# Altium PCB top_LM_v1.PcbDoc (part 4 of 5)
Units mil, origin at the board's own origin, x right, y up, seen from the top; angles counter-clockwise.
Board outline 13413.03 x 6200.01 mil, 2 copper layers (Top Layer, Bottom Layer); 748 components, 568 nets, 1910 pads, 545 vias.
Unrouted connection lines stored in the file: 211.
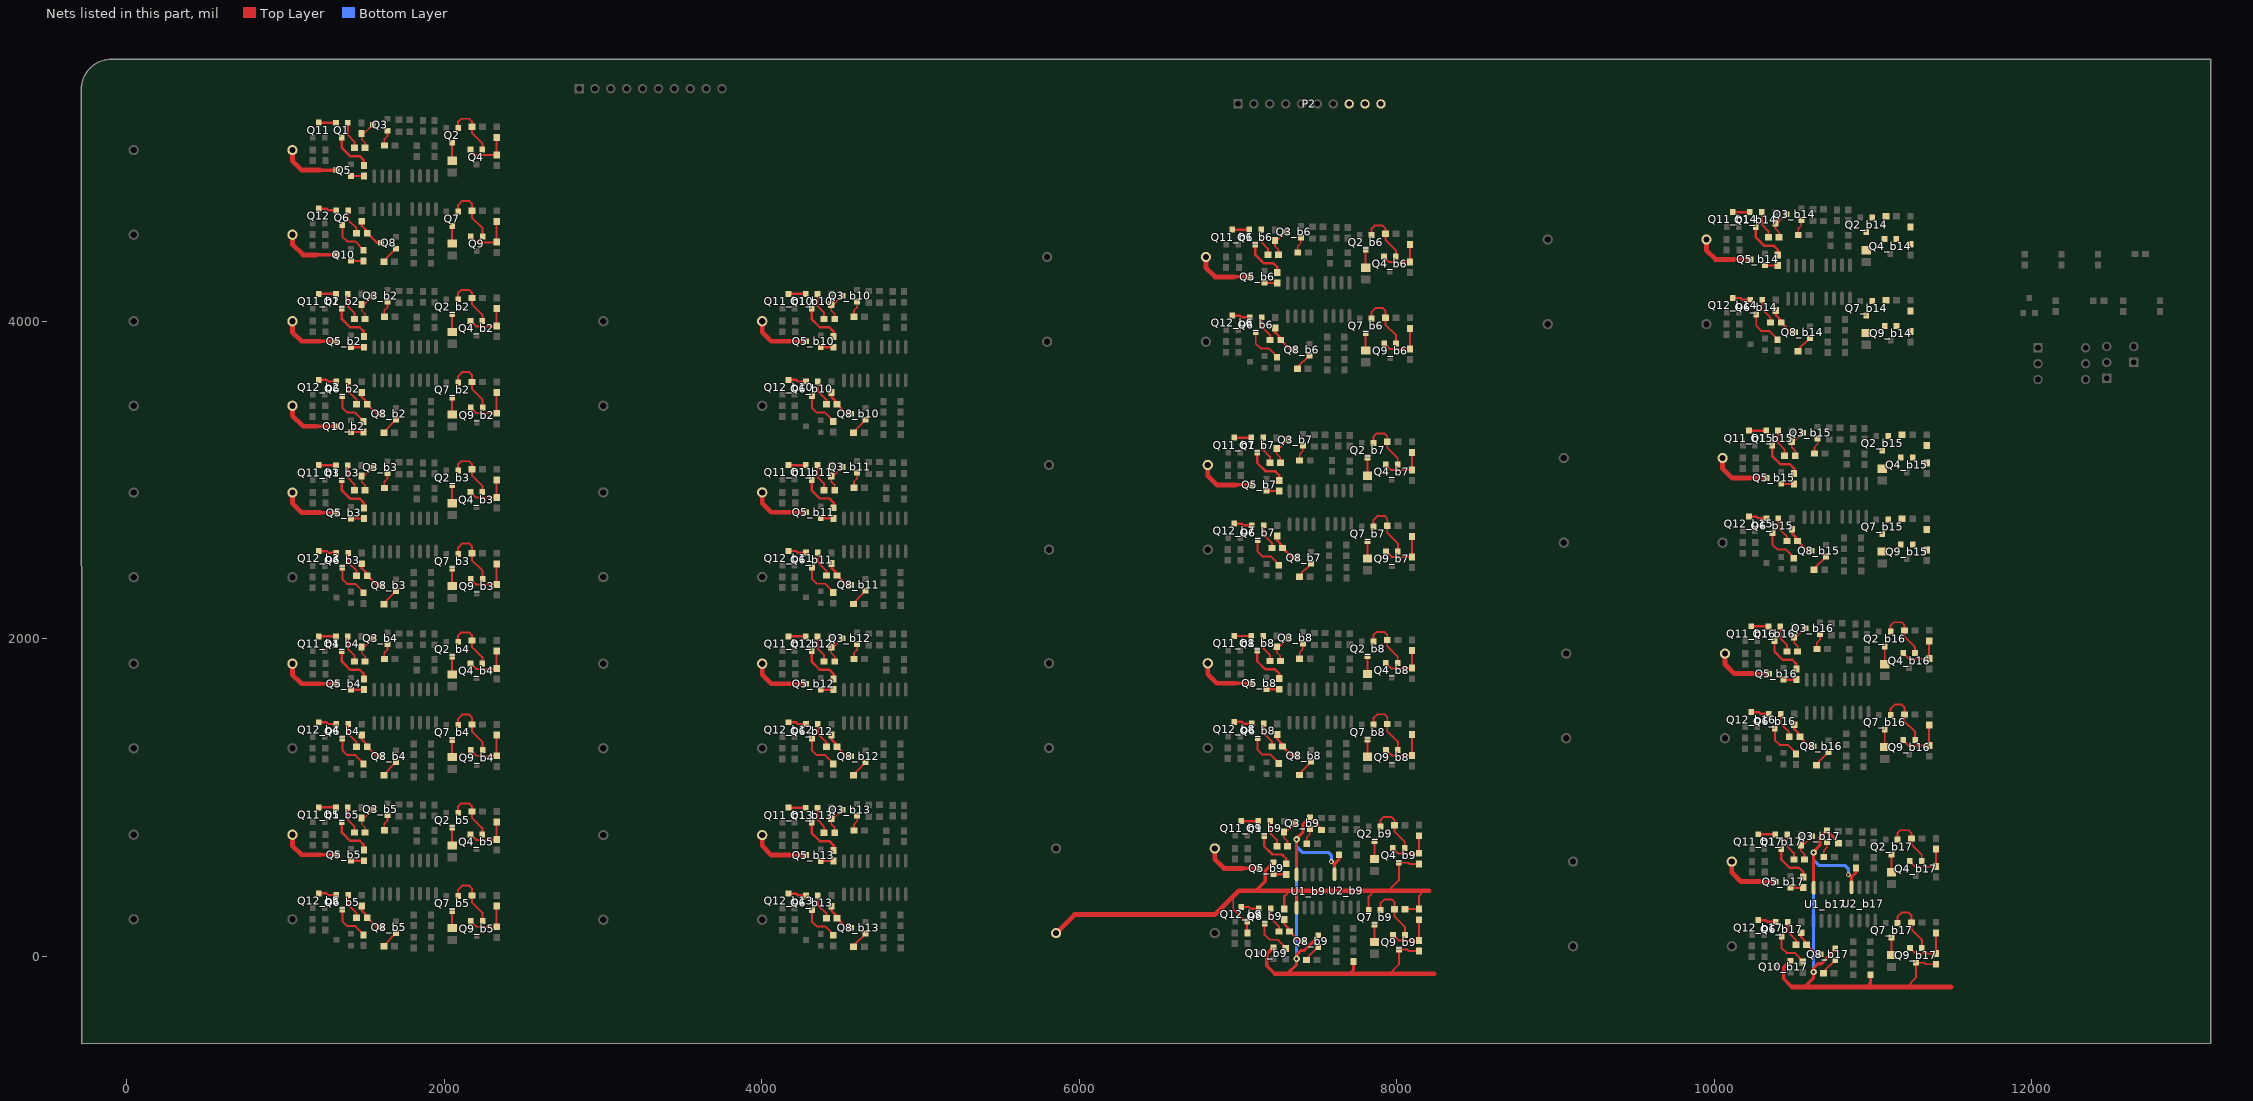
[diagram p4: the nets of this part, all layers, seen from the top]

## Via types
v1: diameter 20, hole 10, Top Layer to Bottom Layer, 458 vias
v2: diameter 40, hole 20, Top Layer to Bottom Layer, 51 vias
v3: diameter 30, hole 15, Top Layer to Bottom Layer, 34 vias
v4: diameter 125.98, hole 125.98, Top Layer to Bottom Layer, 2 vias

## Nets (pads, with @x,y where several pads share a name; then routed paths per layer and width w, separated by ;. In a path a pad name is that pad's centre, name@x,y a point inside that pad or via, vN(x,y) a via of type N, cw(c..) or ccw(c..) an arc to the next point about the centre after c; other vN are vias at no path point) (continued)
IN_B8: P2.8 Q3_b17.2 Q4_b9.3 Q5_b9.2 Q7_b9.2 Q8_b17.2 Q9_b17.3 Q10_b17.2 Q12_b9.2 R12_b17.1 R13_b9.1 R14_b9.2 R19_b9.2 R20_b9.2 R21_b9.2 R24_b17.1 R42_b9.1 R44_b17.2 R48_b17.2 U1_b9.5 U1_b17.4 U2_b17.4 | length 7528.2
  Top Layer w12: 6970,376.78 6970,297 7049.26,217.74 Q12_b9.2@7057.4,217.74 7057.4,149.06 R42_b9.1@7060,146.46 ; U1_b9.5@7369,305.51 7369,390.28 7391,412.28 ; Q7_b9.2@7822.46,292.54 7822.46,375.87 7858.87,412.28 ; 7946.87,412.28 8012.87,478.28 Q4_b9.3@8012.87,589.02 8071.13,589.02 8078.33,581.81 R13_b9.1@8139.87,581.81 ; R20_b9.2@8051.8,296.74 R21_b9.2@8139.87,296.74 8139.87,381.28 8170.87,412.28 ; 11210.25,-193.8 11269.87,-134.18 Q9_b17.3@11269.87,-40.98 11322.61,-40.98 11331.81,-50.19 R24_b17.1@11395.87,-50.19
  Top Layer w15: R19_b9.2@7290.87,297.74 7290.87,377.28 7325.87,412.28 7329.87,412.28
  Top Layer w20: 10568.87,-191.19 10625,-135.06 v2(10625,-99) 10625,-74 10652,-47 10673.44,-47 10761.26,40.82 Q8_b17.2@10761.26,50.4 ; 10588.87,-194.72 10589.8,-193.8 ; U1_b17.4@10625,431.49 v2(10625,653) 10625,659 10665,699 10665,750.14 Q3_b17.2@10708.26,793.4 10708.26,790.65 10781.54,717.38 R12_b17.1@10781.54,712 ; v3(10844,513) 10858,499 10864,499 ; U2_b17.4@10864,433.76 10864,499 ; R48_b17.2@10892,556.54 10892,527 10864,499 ; 10959,-193.8 10983,-169.8 R44_b17.2@10983,-116.46
  Top Layer w22: 7111.87,412.28 7171.87,472.28 7171.87,539.42 Q5_b9.2@7223.13,590.68 ; Q10_b17.2@10479.13,-27.32 10435.87,-70.58 10435.87,-142.72 10486.94,-193.8
  Top Layer w30: R14_b9.2@5854,146 5970.28,262.28 6854,262.28 7004,412.28 7111.87,412.28 7325.87,412.28 ; 7329.87,412.28 7391,412.28 7858.87,412.28 7946.87,412.28 8170.87,412.28 8204.4,412.28 ; 10486.94,-193.8 10589.8,-193.8 10959,-193.8 11210.25,-193.8 11491.32,-193.8
  Bottom Layer w20: v2(10625,-99) 10625,606 ; v2(10625,653) 10625,606 ; v3(10844,513) 10844,552 10825,571 10660,571 10625,606
IN_C8: P2.9 P2.10 Q3_b9.2 Q8_b9.2 Q9_b9.3 Q10_b9.2 R12_b9.1 R24_b9.1 R44_b9.2 R48_b9.2 U1_b9.4 U2_b9.4 | length 3640.4
  Top Layer w12: 7954.25,-110.8 8013.87,-51.18 Q9_b9.3@8013.87,42.02 8066.61,42.02 8075.81,32.81 R24_b9.1@8139.87,32.81
  Top Layer w20: 7312.87,-108.19 7369,-52.06 v2(7369,-16) 7369,9 7396,36 7417.44,36 7505.26,123.82 Q8_b9.2@7505.26,133.4 ; 7332.87,-111.72 7333.8,-110.8 ; U1_b9.4@7369,514.49 v2(7369,736) 7369,742 7409,782 7409,833.14 Q3_b9.2@7452.26,876.4 7452.26,873.65 7525.54,800.38 R12_b9.1@7525.54,795 ; v3(7588,596) 7602,582 7608,582 ; U2_b9.4@7608,516.76 7608,582 ; R48_b9.2@7636,639.54 7636,610 7608,582 ; 7703,-110.8 7727,-86.8 R44_b9.2@7727,-33.46
  Top Layer w22: Q10_b9.2@7223.13,55.68 7179.87,12.42 7179.87,-59.72 7230.94,-110.8
  Top Layer w30: 7230.94,-110.8 7333.8,-110.8 7703,-110.8 7954.25,-110.8 8235.32,-110.8
  Bottom Layer w20: v2(7369,-16) 7369,689 ; v2(7369,736) 7369,689 ; v3(7588,596) 7588,635 7569,654 7404,654 7369,689
NetD1_1: D1.1 Q2.3 | length 113.3
  Top Layer w12: D1.1@2050.87,5009.94 Q2.3@2050.87,5123.28
NetD1_b2_1: D1_b2.1 Q2_b2.3 | length 113.3
  Top Layer w12: D1_b2.1@2050.87,3931.94 Q2_b2.3@2050.87,4045.28
NetD1_b3_1: D1_b3.1 Q2_b3.3 | length 113.3
  Top Layer w12: D1_b3.1@2050.87,2852.94 Q2_b3.3@2050.87,2966.28
NetD1_b4_1: D1_b4.1 Q2_b4.3 | length 113.3
  Top Layer w12: D1_b4.1@2050.87,1774.94 Q2_b4.3@2050.87,1888.28
NetD1_b5_1: D1_b5.1 Q2_b5.3 | length 113.3
  Top Layer w12: D1_b5.1@2050.87,697.94 Q2_b5.3@2050.87,811.28
NetD1_b6_1: D1_b6.1 Q2_b6.3 | length 113.3
  Top Layer w12: D1_b6.1@7803.61,4336.4 Q2_b6.3@7803.61,4449.74
NetD1_b7_1: D1_b7.1 Q2_b7.3 | length 113.3
  Top Layer w12: D1_b7.1@7815.61,3026.4 Q2_b7.3@7815.61,3139.74
NetD1_b8_1: D1_b8.1 Q2_b8.3 | length 113.3
  Top Layer w12: D1_b8.1@7815.61,1777.4 Q2_b8.3@7815.61,1890.74
NetD1_b9_1: D1_b9.1 Q2_b9.3 | length 113.3
  Top Layer w12: D1_b9.1@7859.87,611.68 Q2_b9.3@7859.87,725.02
NetD1_b10_1: 
NetD1_b11_1: 
NetD1_b12_1: 
NetD1_b13_1: 
NetD1_b14_1: D1_b14.1 Q2_b14.3
NetD1_b15_1: D1_b15.1 Q2_b15.3
NetD1_b16_1: D1_b16.1 Q2_b16.3 | length 113.3
  Top Layer w12: D1_b16.1@11072.87,1838.68 Q2_b16.3@11072.87,1952.02
NetD1_b17_1: D1_b17.1 Q2_b17.3 | length 113.3
  Top Layer w12: D1_b17.1@11115.87,528.68 Q2_b17.3@11115.87,642.02
NetD2_1: D2.1 Q7.3 | length 109.3
  Top Layer w12: D2.1@2050.87,4488.94 Q7.3@2050.87,4598.28
NetD2_b2_1: D2_b2.1 Q7_b2.3 | length 109.3
  Top Layer w12: D2_b2.1@2050.87,3410.94 Q7_b2.3@2050.87,3520.28
NetD2_b3_1: D2_b3.1 Q7_b3.3 | length 109.3
  Top Layer w12: D2_b3.1@2050.87,2331.94 Q7_b3.3@2050.87,2441.28
NetD2_b4_1: D2_b4.1 Q7_b4.3 | length 109.3
  Top Layer w12: D2_b4.1@2050.87,1253.94 Q7_b4.3@2050.87,1363.28
NetD2_b5_1: D2_b5.1 Q7_b5.3 | length 109.3
  Top Layer w12: D2_b5.1@2050.87,176.94 Q7_b5.3@2050.87,286.28
NetD2_b6_1: D2_b6.1 Q7_b6.3 | length 109.3
  Top Layer w12: D2_b6.1@7803.61,3815.4 Q7_b6.3@7803.61,3924.74
NetD2_b7_1: D2_b7.1 Q7_b7.3 | length 109.3
  Top Layer w12: D2_b7.1@7815.61,2505.4 Q7_b7.3@7815.61,2614.74
NetD2_b8_1: D2_b8.1 Q7_b8.3 | length 109.3
  Top Layer w12: D2_b8.1@7815.61,1256.4 Q7_b8.3@7815.61,1365.74
NetD2_b9_1: D2_b9.1 Q7_b9.3 | length 109.3
  Top Layer w12: D2_b9.1@7859.87,90.68 Q7_b9.3@7859.87,200.02
NetD2_b10_1: 
NetD2_b11_1: 
NetD2_b12_1: 
NetD2_b13_1: 
NetD2_b14_1: D2_b14.1 Q7_b14.3
NetD2_b15_1: D2_b15.1 Q7_b15.3
NetD2_b16_1: D2_b16.1 Q7_b16.3 | length 109.3
  Top Layer w12: D2_b16.1@11072.87,1317.68 Q7_b16.3@11072.87,1427.02
NetD2_b17_1: D2_b17.1 Q7_b17.3 | length 109.3
  Top Layer w12: D2_b17.1@11115.87,7.68 Q7_b17.3@11115.87,117.02
NetJ1_1: 
NetJ1_2: 
NetJ1_5: 
NetJ1_6: 
NetQ1_1: Q1.1 R35.2 | length 175.3
  Top Layer w12: Q1.1@1393.8,5249.26 1393.8,5172.46 1435.54,5130.72 R35.2@1435.54,5091.26
NetQ1_2: Q1.2 Q11.3 | length 107.7
  Top Layer w15: Q11.3@1211.26,5249.26 Q1.2@1319,5249.26
NetQ1_3: Q1.3 R11.2 | length 268.8
  Top Layer w15: Q1.3@1356.4,5156.74 1356.4,5090.46 1407.87,5039 1468.26,5039 1495,5012.26 R11.2@1495,4980.72
NetQ1_b2_1: Q1_b2.1 R35_b2.2 | length 175.3
  Top Layer w12: Q1_b2.1@1393.8,4171.26 1393.8,4094.46 1435.54,4052.72 R35_b2.2@1435.54,4013.26
NetQ1_b2_2: Q1_b2.2 Q11_b2.3 | length 107.7
  Top Layer w15: Q11_b2.3@1211.26,4171.26 Q1_b2.2@1319,4171.26
NetQ1_b2_3: Q1_b2.3 R11_b2.2 | length 268.8
  Top Layer w15: Q1_b2.3@1356.4,4078.74 1356.4,4012.46 1407.87,3961 1468.26,3961 1495,3934.26 R11_b2.2@1495,3902.72
NetQ1_b3_1: Q1_b3.1 R35_b3.2 | length 175.3
  Top Layer w12: Q1_b3.1@1393.8,3092.26 1393.8,3015.46 1435.54,2973.72 R35_b3.2@1435.54,2934.26
NetQ1_b3_2: Q1_b3.2 Q11_b3.3 | length 107.7
  Top Layer w15: Q11_b3.3@1211.26,3092.26 Q1_b3.2@1319,3092.26
NetQ1_b3_3: Q1_b3.3 R11_b3.2 | length 268.8
  Top Layer w15: Q1_b3.3@1356.4,2999.74 1356.4,2933.46 1407.87,2882 1468.26,2882 1495,2855.26 R11_b3.2@1495,2823.72
NetQ1_b4_1: Q1_b4.1 R35_b4.2 | length 175.3
  Top Layer w12: Q1_b4.1@1393.8,2014.26 1393.8,1937.46 1435.54,1895.72 R35_b4.2@1435.54,1856.26
NetQ1_b4_2: Q1_b4.2 Q11_b4.3 | length 107.7
  Top Layer w15: Q11_b4.3@1211.26,2014.26 Q1_b4.2@1319,2014.26
NetQ1_b4_3: Q1_b4.3 R11_b4.2 | length 268.8
  Top Layer w15: Q1_b4.3@1356.4,1921.74 1356.4,1855.46 1407.87,1804 1468.26,1804 1495,1777.26 R11_b4.2@1495,1745.72
NetQ1_b5_1: Q1_b5.1 R35_b5.2 | length 175.3
  Top Layer w12: Q1_b5.1@1393.8,937.26 1393.8,860.46 1435.54,818.72 R35_b5.2@1435.54,779.26
NetQ1_b5_2: Q1_b5.2 Q11_b5.3 | length 107.7
  Top Layer w15: Q11_b5.3@1211.26,937.26 Q1_b5.2@1319,937.26
NetQ1_b5_3: Q1_b5.3 R11_b5.2 | length 268.8
  Top Layer w15: Q1_b5.3@1356.4,844.74 1356.4,778.46 1407.87,727 1468.26,727 1495,700.26 R11_b5.2@1495,668.72
NetQ1_b6_1: Q1_b6.1 R35_b6.2 | length 175.3
  Top Layer w12: Q1_b6.1@7146.55,4575.72 7146.55,4498.92 7188.28,4457.19 R35_b6.2@7188.28,4417.72
NetQ1_b6_2: Q1_b6.2 Q11_b6.3 | length 107.7
  Top Layer w15: Q11_b6.3@6964.01,4575.72 Q1_b6.2@7071.75,4575.72
NetQ1_b6_3: Q1_b6.3 R11_b6.2 | length 268.8
  Top Layer w15: Q1_b6.3@7109.15,4483.2 7109.15,4416.93 7160.61,4365.46 7221.01,4365.46 7247.75,4338.72 R11_b6.2@7247.75,4307.19
NetQ1_b7_1: Q1_b7.1 R35_b7.2 | length 175.3
  Top Layer w12: Q1_b7.1@7158.55,3265.72 7158.55,3188.92 7200.28,3147.19 R35_b7.2@7200.28,3107.72
NetQ1_b7_2: Q1_b7.2 Q11_b7.3 | length 107.7
  Top Layer w15: Q11_b7.3@6976.01,3265.72 Q1_b7.2@7083.75,3265.72
NetQ1_b7_3: Q1_b7.3 R11_b7.2 | length 268.8
  Top Layer w15: Q1_b7.3@7121.15,3173.2 7121.15,3106.93 7172.61,3055.46 7233.01,3055.46 7259.75,3028.72 R11_b7.2@7259.75,2997.19
NetQ1_b8_1: Q1_b8.1 R35_b8.2 | length 175.3
  Top Layer w12: Q1_b8.1@7158.55,2016.72 7158.55,1939.92 7200.28,1898.19 R35_b8.2@7200.28,1858.72
NetQ1_b8_2: Q1_b8.2 Q11_b8.3 | length 107.7
  Top Layer w15: Q11_b8.3@6976.01,2016.72 Q1_b8.2@7083.75,2016.72
NetQ1_b8_3: Q1_b8.3 R11_b8.2 | length 268.8
  Top Layer w15: Q1_b8.3@7121.15,1924.2 7121.15,1857.93 7172.61,1806.46 7233.01,1806.46 7259.75,1779.72 R11_b8.2@7259.75,1748.19
NetQ1_b9_1: Q1_b9.1 R35_b9.2 | length 175.3
  Top Layer w12: Q1_b9.1@7202.8,851 7202.8,774.2 7244.54,732.46 R35_b9.2@7244.54,693
NetQ1_b9_2: Q1_b9.2 Q11_b9.3 | length 107.7
  Top Layer w15: Q11_b9.3@7020.26,851 Q1_b9.2@7128,851
NetQ1_b9_3: Q1_b9.3 R11_b9.2 | length 268.8
  Top Layer w15: Q1_b9.3@7165.4,758.48 7165.4,692.2 7216.87,640.74 7277.26,640.74 7304,614 R11_b9.2@7304,582.46
NetQ1_b10_1: Q1_b10.1 R35_b10.2 | length 175.3
  Top Layer w12: Q1_b10.1@4351.8,4171.26 4351.8,4094.46 4393.54,4052.72 R35_b10.2@4393.54,4013.26
NetQ1_b10_2: Q1_b10.2 Q11_b10.3 | length 107.7
  Top Layer w15: Q11_b10.3@4169.26,4171.26 Q1_b10.2@4277,4171.26
NetQ1_b10_3: Q1_b10.3 R11_b10.2 | length 268.8
  Top Layer w15: Q1_b10.3@4314.4,4078.74 4314.4,4012.46 4365.87,3961 4426.26,3961 4453,3934.26 R11_b10.2@4453,3902.72
NetQ1_b11_1: Q1_b11.1 R35_b11.2 | length 175.3
  Top Layer w12: Q1_b11.1@4351.8,3093.26 4351.8,3016.46 4393.54,2974.72 R35_b11.2@4393.54,2935.26
NetQ1_b11_2: Q1_b11.2 Q11_b11.3 | length 107.7
  Top Layer w15: Q11_b11.3@4169.26,3093.26 Q1_b11.2@4277,3093.26
NetQ1_b11_3: Q1_b11.3 R11_b11.2 | length 268.8
  Top Layer w15: Q1_b11.3@4314.4,3000.74 4314.4,2934.46 4365.87,2883 4426.26,2883 4453,2856.26 R11_b11.2@4453,2824.72
NetQ1_b12_1: Q1_b12.1 R35_b12.2 | length 175.3
  Top Layer w12: Q1_b12.1@4351.8,2014.26 4351.8,1937.46 4393.54,1895.72 R35_b12.2@4393.54,1856.26
NetQ1_b12_2: Q1_b12.2 Q11_b12.3 | length 107.7
  Top Layer w15: Q11_b12.3@4169.26,2014.26 Q1_b12.2@4277,2014.26
NetQ1_b12_3: Q1_b12.3 R11_b12.2 | length 268.8
  Top Layer w15: Q1_b12.3@4314.4,1921.74 4314.4,1855.46 4365.87,1804 4426.26,1804 4453,1777.26 R11_b12.2@4453,1745.72
NetQ1_b13_1: Q1_b13.1 R35_b13.2 | length 175.3
  Top Layer w12: Q1_b13.1@4351.8,935.26 4351.8,858.46 4393.54,816.72 R35_b13.2@4393.54,777.26
NetQ1_b13_2: Q1_b13.2 Q11_b13.3 | length 107.7
  Top Layer w15: Q11_b13.3@4169.26,935.26 Q1_b13.2@4277,935.26
NetQ1_b13_3: Q1_b13.3 R11_b13.2 | length 268.8
  Top Layer w15: Q1_b13.3@4314.4,842.74 4314.4,776.46 4365.87,725 4426.26,725 4453,698.26 R11_b13.2@4453,666.72
NetQ1_b14_1: Q1_b14.1 R35_b14.2 | length 175.3
  Top Layer w12: Q1_b14.1@10298.8,4686 10298.8,4609.2 10340.54,4567.46 R35_b14.2@10340.54,4528
NetQ1_b14_2: Q1_b14.2 Q11_b14.3 | length 107.7
  Top Layer w15: Q11_b14.3@10116.26,4686 Q1_b14.2@10224,4686
NetQ1_b14_3: Q1_b14.3 R11_b14.2 | length 268.8
  Top Layer w15: Q1_b14.3@10261.4,4593.48 10261.4,4527.2 10312.87,4475.74 10373.26,4475.74 10400,4449 R11_b14.2@10400,4417.46
NetQ1_b15_1: Q1_b15.1 R35_b15.2 | length 175.3
  Top Layer w12: Q1_b15.1@10400.8,3309.74 10400.8,3232.94 10442.54,3191.2 R35_b15.2@10442.54,3151.74
NetQ1_b15_2: Q1_b15.2 Q11_b15.3 | length 107.7
  Top Layer w15: Q11_b15.3@10218.26,3309.74 Q1_b15.2@10326,3309.74
NetQ1_b15_3: Q1_b15.3 R11_b15.2 | length 268.8
  Top Layer w15: Q1_b15.3@10363.4,3217.22 10363.4,3150.94 10414.87,3099.48 10475.26,3099.48 10502,3072.74 R11_b15.2@10502,3041.2
NetQ1_b16_1: Q1_b16.1 R35_b16.2 | length 175.3
  Top Layer w12: Q1_b16.1@10415.8,2078 10415.8,2001.2 10457.54,1959.46 R35_b16.2@10457.54,1920
NetQ1_b16_2: Q1_b16.2 Q11_b16.3 | length 107.7
  Top Layer w15: Q11_b16.3@10233.26,2078 Q1_b16.2@10341,2078
NetQ1_b16_3: Q1_b16.3 R11_b16.2 | length 268.8
  Top Layer w15: Q1_b16.3@10378.4,1985.48 10378.4,1919.2 10429.87,1867.74 10490.26,1867.74 10517,1841 R11_b16.2@10517,1809.46
NetQ1_b17_1: Q1_b17.1 R35_b17.2 | length 175.3
  Top Layer w12: Q1_b17.1@10458.8,768 10458.8,691.2 10500.54,649.46 R35_b17.2@10500.54,610
NetQ1_b17_2: Q1_b17.2 Q11_b17.3 | length 107.7
  Top Layer w15: Q11_b17.3@10276.26,768 Q1_b17.2@10384,768
NetQ1_b17_3: Q1_b17.3 R11_b17.2 | length 268.8
  Top Layer w15: Q1_b17.3@10421.4,675.48 10421.4,609.2 10472.87,557.74 10533.26,557.74 10560,531 R11_b17.2@10560,499.46
NetQ2_1: Q2.1 Q4.1 R7.1 | length 346.7
  Top Layer w12: Q2.1@2088.27,5215.8 2088.27,5255.94 2106.87,5274.54 2157.87,5274.54 2175.4,5257 R7.1@2175.4,5223.54 2175.4,5185.2 2241.27,5119.33 Q4.1@2241.27,5079.8
NetQ2_b2_1: Q2_b2.1 Q4_b2.1 R7_b2.1 | length 346.7
  Top Layer w12: Q2_b2.1@2088.27,4137.8 2088.27,4177.94 2106.87,4196.54 2157.87,4196.54 2175.4,4179 R7_b2.1@2175.4,4145.54 2175.4,4107.2 2241.27,4041.33 Q4_b2.1@2241.27,4001.8
NetQ2_b3_1: Q2_b3.1 Q4_b3.1 R7_b3.1 | length 346.7
  Top Layer w12: Q2_b3.1@2088.27,3058.8 2088.27,3098.94 2106.87,3117.54 2157.87,3117.54 2175.4,3100 R7_b3.1@2175.4,3066.54 2175.4,3028.2 2241.27,2962.33 Q4_b3.1@2241.27,2922.8
NetQ2_b4_1: Q2_b4.1 Q4_b4.1 R7_b4.1 | length 346.7
  Top Layer w12: Q2_b4.1@2088.27,1980.8 2088.27,2020.94 2106.87,2039.54 2157.87,2039.54 2175.4,2022 R7_b4.1@2175.4,1988.54 2175.4,1950.2 2241.27,1884.33 Q4_b4.1@2241.27,1844.8
NetQ2_b5_1: Q2_b5.1 Q4_b5.1 R7_b5.1 | length 346.7
  Top Layer w12: Q2_b5.1@2088.27,903.8 2088.27,943.94 2106.87,962.54 2157.87,962.54 2175.4,945 R7_b5.1@2175.4,911.54 2175.4,873.2 2241.27,807.33 Q4_b5.1@2241.27,767.8
NetQ2_b6_1: Q2_b6.1 Q4_b6.1 R7_b6.1 | length 346.7
  Top Layer w12: Q2_b6.1@7841.02,4542.26 7841.02,4582.4 7859.61,4601 7910.61,4601 7928.15,4583.46 R7_b6.1@7928.15,4550 7928.15,4511.66 7994.02,4445.79 Q4_b6.1@7994.02,4406.26
NetQ2_b7_1: Q2_b7.1 Q4_b7.1 R7_b7.1 | length 346.7
  Top Layer w12: Q2_b7.1@7853.02,3232.26 7853.02,3272.4 7871.61,3291 7922.61,3291 7940.15,3273.46 R7_b7.1@7940.15,3240 7940.15,3201.66 8006.02,3135.79 Q4_b7.1@8006.02,3096.26
NetQ2_b8_1: Q2_b8.1 Q4_b8.1 R7_b8.1 | length 346.7
  Top Layer w12: Q2_b8.1@7853.02,1983.26 7853.02,2023.4 7871.61,2042 7922.61,2042 7940.15,2024.46 R7_b8.1@7940.15,1991 7940.15,1952.66 8006.02,1886.79 Q4_b8.1@8006.02,1847.26
NetQ2_b9_1: Q2_b9.1 Q4_b9.1 R7_b9.1 | length 346.7
  Top Layer w12: Q2_b9.1@7897.27,817.54 7897.27,857.68 7915.87,876.28 7966.87,876.28 7984.4,858.74 R7_b9.1@7984.4,825.28 7984.4,786.94 8050.27,721.07 Q4_b9.1@8050.27,681.54
NetQ2_b10_1: 
NetQ2_b11_1: 
NetQ2_b12_1: 
NetQ2_b13_1: 
NetQ2_b14_1: Q2_b14.1 Q4_b14.1 R7_b14.1
NetQ2_b15_1: Q2_b15.1 Q4_b15.1 R7_b15.1
NetQ2_b16_1: Q2_b16.1 Q4_b16.1 R7_b16.1 | length 346.7
  Top Layer w12: Q2_b16.1@11110.27,2044.54 11110.27,2084.68 11128.87,2103.28 11179.87,2103.28 11197.4,2085.74 R7_b16.1@11197.4,2052.28 11197.4,2013.94 11263.27,1948.07 Q4_b16.1@11263.27,1908.54
NetQ2_b17_1: Q2_b17.1 Q4_b17.1 R7_b17.1 | length 346.7
  Top Layer w12: Q2_b17.1@11153.27,734.54 11153.27,774.68 11171.87,793.28 11222.87,793.28 11240.4,775.74 R7_b17.1@11240.4,742.28 11240.4,703.94 11306.27,638.07 Q4_b17.1@11306.27,598.54
NetQ3_1: Q3.1 R10.1 | length 101.8
  Top Layer w10: R10.1@1623.54,5106.26 1623.54,5145.8 1643.26,5165.52 Q3.1@1643.26,5199.86
NetQ3_3: Q3.3 R6.1 R35.1 | length 193.4
  Top Layer w10: R6.1@1479.87,5181.54 R6.1@1480.27,5181.54 ; R35.1@1502.46,5091.26 1502.46,5122.8 1480.27,5144.99 R6.1@1480.27,5181.54 ; Q3.3@1550.74,5237.26 1495.02,5181.54 R6.1@1480.27,5181.54
NetQ3_b2_1: Q3_b2.1 R10_b2.1 | length 101.8
  Top Layer w10: R10_b2.1@1623.54,4028.26 1623.54,4067.8 1643.26,4087.52 Q3_b2.1@1643.26,4121.86
NetQ3_b2_3: Q3_b2.3 R6_b2.1 R35_b2.1 | length 193.4
  Top Layer w10: R6_b2.1@1479.87,4103.54 R6_b2.1@1480.27,4103.54 ; R35_b2.1@1502.46,4013.26 1502.46,4044.8 1480.27,4066.99 R6_b2.1@1480.27,4103.54 ; Q3_b2.3@1550.74,4159.26 1495.02,4103.54 R6_b2.1@1480.27,4103.54
NetQ3_b3_1: Q3_b3.1 R10_b3.1 | length 101.8
  Top Layer w10: R10_b3.1@1623.54,2949.26 1623.54,2988.8 1643.26,3008.52 Q3_b3.1@1643.26,3042.86
NetQ3_b3_3: Q3_b3.3 R6_b3.1 R35_b3.1 | length 193.4
  Top Layer w10: R6_b3.1@1479.87,3024.54 R6_b3.1@1480.27,3024.54 ; R35_b3.1@1502.46,2934.26 1502.46,2965.8 1480.27,2987.99 R6_b3.1@1480.27,3024.54 ; Q3_b3.3@1550.74,3080.26 1495.02,3024.54 R6_b3.1@1480.27,3024.54
NetQ3_b4_1: Q3_b4.1 R10_b4.1 | length 101.8
  Top Layer w10: R10_b4.1@1623.54,1871.26 1623.54,1910.8 1643.26,1930.52 Q3_b4.1@1643.26,1964.86
NetQ3_b4_3: Q3_b4.3 R6_b4.1 R35_b4.1 | length 193.4
  Top Layer w10: R6_b4.1@1479.87,1946.54 R6_b4.1@1480.27,1946.54 ; R35_b4.1@1502.46,1856.26 1502.46,1887.8 1480.27,1909.99 R6_b4.1@1480.27,1946.54 ; Q3_b4.3@1550.74,2002.26 1495.02,1946.54 R6_b4.1@1480.27,1946.54
NetQ3_b5_1: Q3_b5.1 R10_b5.1 | length 101.8
  Top Layer w10: R10_b5.1@1623.54,794.26 1623.54,833.8 1643.26,853.52 Q3_b5.1@1643.26,887.86
NetQ3_b5_3: Q3_b5.3 R6_b5.1 R35_b5.1 | length 193.4
  Top Layer w10: R6_b5.1@1479.87,869.54 R6_b5.1@1480.27,869.54 ; R35_b5.1@1502.46,779.26 1502.46,810.8 1480.27,832.99 R6_b5.1@1480.27,869.54 ; Q3_b5.3@1550.74,925.26 1495.02,869.54 R6_b5.1@1480.27,869.54
NetQ3_b6_1: Q3_b6.1 R10_b6.1 | length 101.8
  Top Layer w10: R10_b6.1@7376.28,4432.72 7376.28,4472.26 7396.01,4491.98 Q3_b6.1@7396.01,4526.32
NetQ3_b6_3: Q3_b6.3 R6_b6.1 R35_b6.1 | length 193.4
  Top Layer w10: R6_b6.1@7232.61,4508 R6_b6.1@7233.02,4508 ; R35_b6.1@7255.21,4417.72 7255.21,4449.26 7233.02,4471.46 R6_b6.1@7233.02,4508 ; Q3_b6.3@7303.49,4563.72 7247.76,4508 R6_b6.1@7233.02,4508
NetQ3_b7_1: Q3_b7.1 R10_b7.1 | length 101.8
  Top Layer w10: R10_b7.1@7388.28,3122.72 7388.28,3162.26 7408.01,3181.98 Q3_b7.1@7408.01,3216.32
NetQ3_b7_3: Q3_b7.3 R6_b7.1 R35_b7.1 | length 193.4
  Top Layer w10: R6_b7.1@7244.61,3198 R6_b7.1@7245.02,3198 ; R35_b7.1@7267.21,3107.72 7267.21,3139.26 7245.02,3161.46 R6_b7.1@7245.02,3198 ; Q3_b7.3@7315.49,3253.72 7259.76,3198 R6_b7.1@7245.02,3198
NetQ3_b8_1: Q3_b8.1 R10_b8.1 | length 101.8
  Top Layer w10: R10_b8.1@7388.28,1873.72 7388.28,1913.26 7408.01,1932.98 Q3_b8.1@7408.01,1967.32
NetQ3_b8_3: Q3_b8.3 R6_b8.1 R35_b8.1 | length 193.4
  Top Layer w10: R6_b8.1@7244.61,1949 R6_b8.1@7245.02,1949 ; R35_b8.1@7267.21,1858.72 7267.21,1890.26 7245.02,1912.46 R6_b8.1@7245.02,1949 ; Q3_b8.3@7315.49,2004.72 7259.76,1949 R6_b8.1@7245.02,1949
NetQ3_b9_1: Q3_b9.1 R10_b9.1 | length 101.8
  Top Layer w10: R10_b9.1@7432.54,708 7432.54,747.54 7452.26,767.26 Q3_b9.1@7452.26,801.6
NetQ3_b9_3: Q3_b9.3 R6_b9.1 R35_b9.1 | length 193.4
  Top Layer w10: R6_b9.1@7288.87,783.28 R6_b9.1@7289.27,783.28 ; R35_b9.1@7311.46,693 7311.46,724.54 7289.27,746.73 R6_b9.1@7289.27,783.28 ; Q3_b9.3@7359.74,839 7304.02,783.28 R6_b9.1@7289.27,783.28
NetQ3_b10_1: Q3_b10.1 R10_b10.1 | length 101.8
  Top Layer w10: R10_b10.1@4581.54,4028.26 4581.54,4067.8 4601.26,4087.52 Q3_b10.1@4601.26,4121.86
NetQ3_b10_3: Q3_b10.3 R6_b10.1 R35_b10.1 | length 193.4
  Top Layer w10: R6_b10.1@4437.87,4103.54 R6_b10.1@4438.27,4103.54 ; R35_b10.1@4460.46,4013.26 4460.46,4044.8 4438.27,4066.99 R6_b10.1@4438.27,4103.54 ; Q3_b10.3@4508.74,4159.26 4453.02,4103.54 R6_b10.1@4438.27,4103.54
NetQ3_b11_1: Q3_b11.1 R10_b11.1 | length 101.8
  Top Layer w10: R10_b11.1@4581.54,2950.26 4581.54,2989.8 4601.26,3009.52 Q3_b11.1@4601.26,3043.86
NetQ3_b11_3: Q3_b11.3 R6_b11.1 R35_b11.1 | length 193.4
  Top Layer w10: R6_b11.1@4437.87,3025.54 R6_b11.1@4438.27,3025.54 ; R35_b11.1@4460.46,2935.26 4460.46,2966.8 4438.27,2988.99 R6_b11.1@4438.27,3025.54 ; Q3_b11.3@4508.74,3081.26 4453.02,3025.54 R6_b11.1@4438.27,3025.54
NetQ3_b12_1: Q3_b12.1 R10_b12.1 | length 101.8
  Top Layer w10: R10_b12.1@4581.54,1871.26 4581.54,1910.8 4601.26,1930.52 Q3_b12.1@4601.26,1964.86
NetQ3_b12_3: Q3_b12.3 R6_b12.1 R35_b12.1 | length 193.4
  Top Layer w10: R6_b12.1@4437.87,1946.54 R6_b12.1@4438.27,1946.54 ; R35_b12.1@4460.46,1856.26 4460.46,1887.8 4438.27,1909.99 R6_b12.1@4438.27,1946.54 ; Q3_b12.3@4508.74,2002.26 4453.02,1946.54 R6_b12.1@4438.27,1946.54
NetQ3_b13_1: Q3_b13.1 R10_b13.1 | length 101.8
  Top Layer w10: R10_b13.1@4581.54,792.26 4581.54,831.8 4601.26,851.52 Q3_b13.1@4601.26,885.86
NetQ3_b13_3: Q3_b13.3 R6_b13.1 R35_b13.1 | length 193.4
  Top Layer w10: R6_b13.1@4437.87,867.54 R6_b13.1@4438.27,867.54 ; R35_b13.1@4460.46,777.26 4460.46,808.8 4438.27,830.99 R6_b13.1@4438.27,867.54 ; Q3_b13.3@4508.74,923.26 4453.02,867.54 R6_b13.1@4438.27,867.54
NetQ3_b14_1: Q3_b14.1 R10_b14.1 | length 101.8
  Top Layer w10: R10_b14.1@10528.54,4543 10528.54,4582.54 10548.26,4602.26 Q3_b14.1@10548.26,4636.6
NetQ3_b14_3: Q3_b14.3 R6_b14.1 R35_b14.1 | length 193.4
  Top Layer w10: R6_b14.1@10384.87,4618.28 R6_b14.1@10385.27,4618.28 ; R35_b14.1@10407.46,4528 10407.46,4559.54 10385.27,4581.73 R6_b14.1@10385.27,4618.28 ; Q3_b14.3@10455.74,4674 10400.02,4618.28 R6_b14.1@10385.27,4618.28
NetQ3_b15_1: Q3_b15.1 R10_b15.1 | length 101.8
  Top Layer w10: R10_b15.1@10630.54,3166.74 10630.54,3206.28 10650.26,3226 Q3_b15.1@10650.26,3260.34